# Altium PCB Spectre-Analyzer.PcbDoc (part 1 of 2) (continued)
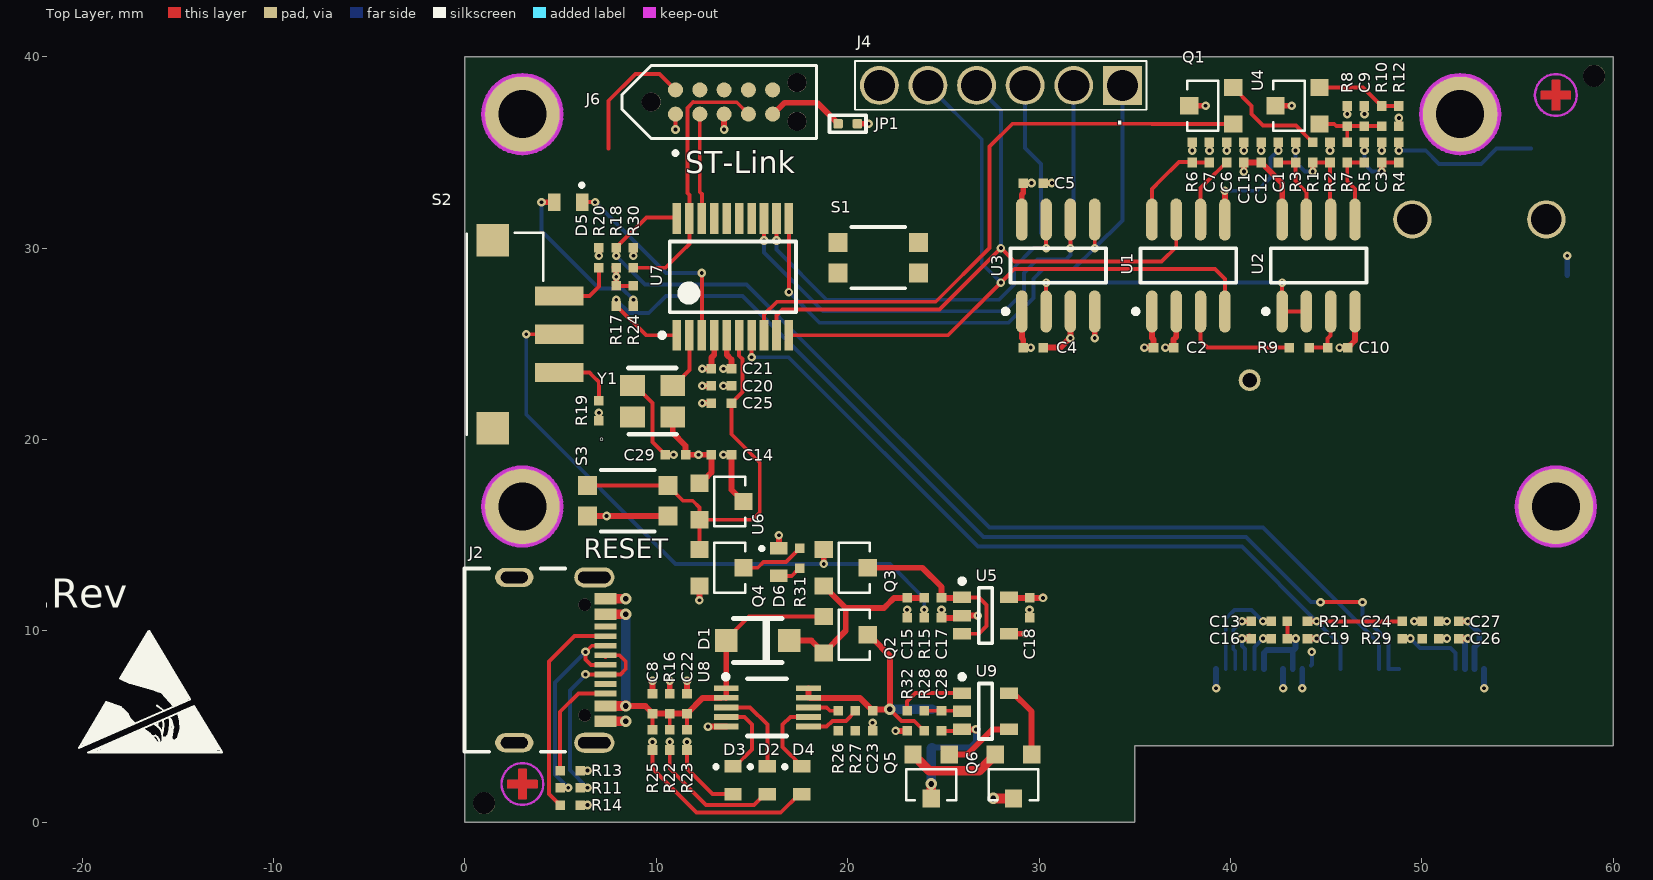
[diagram p0: Top Layer view]
## Part data (continued)
S1 S3: library part "KMR 2 Series", "SWITCH TACTILE SPST-NO 0.01A 32V", Manufacturer=C&K, Part Number=KMR243GLFG
S2: "SWITCH SLIDE SPDT 0.4VA 28V", Manufacturer="NKK Switches", Part Number=SS312SAH4-R
U1: library part MSGEQ7, "SWITCHED CAPA AUDIO ANALYZER SOIC-8", Manufacturer="Mixed Signal Integrated", Part Number=MSGEQ7N
U2: library part AD8072, "IC OPAMP GP 2 CIRCUIT 8SOIC", Manufacturer="Microchip Technology", Part Number=MCP6002-E/SN
U3: "IC ADC 10BIT SAR 8SOIC", Manufacturer="Microchip Technology", Part Number=MCP3001T-I/SN
U4: library part TL431xxDBZR, "IC VREF SHUNT ADJ SOT23-3", Manufacturer=onsemi, Part Number=TLV431ASN1T1G
U5: library part TPS782xxDDCR, "IC REG LINEAR 3.3V 150MA SOT23-5", Manufacturer="Texas Instruments", Part Number=TPS78233DDCR
U6: library part TPS3809x, "IC SUPERVISOR 1 CHANNEL SOT23-3", Manufacturer="Texas Instruments", Part Number=TPS3809K33DBVR
U7: library part STM32G031FxP6, "IC MCU 32BIT 64KB FLASH 20TSSOP", Manufacturer=STMicroelectronics, Part Number=STM32G031F8P6
U8: "IC BATT CNTRL LI-ION 1CEL 10MSOP", Manufacturer=Microchip, Part Number=MCP73833-CNI/UN
U9: library part AP9101CAK-AKTRG1, "IC BATT PROT LI-ION 1CELL SOT25", Manufacturer="Diodes Incorporated", Part Number=AP9101CAK-AKTRG1
Y1: library part ASE-XXXXX-MHZ-X-X, "OSC XO 10.000MHZ CMOS SMD", Manufacturer=Abracon, ClassName=Interface, Part Number=ASE-10.000-MHZ-E-T

## Free pads (board coordinates)
  round 1.143 hole 0.762: 2(41,23.1)
  round 1.152 hole 1.152 unplated: TH(1,1) TH(59,39)
  round 4 hole 2.5: ""(3,16.5) ""(3,37) ""(52,37) ""(57,16.5)

## Via types
v1: diameter 0.45, hole 0.2, Top Layer to Bottom Layer, tented both sides, 109 vias
v2: diameter 0.6, hole 0.3, Top Layer to Bottom Layer, tented both sides, 7 vias

## Nets (pads, with @x,y where several pads share a name; then routed paths per layer and width w, separated by ;. In a path a pad name is that pad's centre, name@x,y a point inside that pad or via, vN(x,y) a via of type N, cw(c..) or ccw(c..) an arc to the next point about the centre after c; other vN are vias at no path point)
+3.3V: C2.2 C4.2 C5.2 C11.2 C12.2 C14.2 C18.2 C19.2 C20.2 C21.2 C29.2 J3.6 J3.9 J3.11 J6.1 JP1.2 Q4.3 R6.1 R8.1 R17.2 R18.2 R21.2 R24.2 U1.1 U2.8 U3.1 U3.8 U5.5 U6.3 U7.4 Y1.4 | length 33
  Top Layer w0.203: R17.2@7.9,28.025 8.775,28.025 R24.2@8.8,28 ; Y1.4@9.2,22.5 9.8,21.9 9.8,19.875 C29.2@10.475,19.2 ; v1(11,36.2) J6.1@11,36.9 ; R21.2@42.9,10.5 42.975,10.425 C19.2@42.975,9.6
  Top Layer w0.305: R18.2@7.8,29 7.9,28.9 v1(7.9,28.5) R17.2@7.9,28.1 ; C29.2@10.4,19.3 10.5,19.2 v1(10.9,19.2) ; v1(12.25,11.6) 12.25,12.15 Q4.3@12.3,12.2 ; v1(12.4,22.8) C20.2@12.875,22.8 ; v1(12.4,23.7) C21.2@12.8,23.7 ; C21.2@12.875,23.7 12.875,24.275 13.025,24.425 U7.4@13.025,25.45 ; v1(13.5,19.2) C14.2@13.9,19.2 ; C14.2@13.925,19.2 13.925,17.375 U6.3@14.3,17 ; JP1.2@20.5,36.5 v1(21.1,36.5) ; U5.5@28.5,11.7 28.525,11.725 C18.2@29.5,11.725 30.125,11.725 v1@30.2,11.8 ; U3.8@29.095,31.49 29.095,32.795 29.175,32.875 C5.2@29.175,33.4 v1(29.6,33.4) ; U3.1@29.1,26 29.1,25.3 29.175,25.225 C4.2@29.175,24.8 ; C4.2@29.2,24.8 v1(29.565,24.8) ; v1(35.5,24.8) C2.2@35.9,24.8 ; U1.1@35.895,26.69 35.895,25.305 35.975,25.225 C2.2@35.975,24.8 ; v1(38,35.1) R6.1@38,35.5 ; v1(40.7,34) C11.2@40.7,34.475 ; C11.2@40.7,34.5 C11.2@40.7,34.475 ; C12.2@41.6,34.475 42.7,33.375 U2.8@42.7,31.9 ; C12.2@41.6,34.5 41.575,34.475 C11.2@40.7,34.475 ; C19.2@43,9.6 v1(43.405,9.6) ; v1(46.1,37) R8.1@46.1,37.4
  Bottom Layer w0.203: J3.11@44.2,8.2 44.25,8.25 v1(44.25,8.9)
  Bottom Layer w0.305: J3.6@41.75,8 41.75,8.85 41.9,9 43.3,9 ; J3.9@43.25,8 43.25,8.95 43.3,9 ; v1(43.405,9.6) 43.405,9.105 43.3,9
  other v1: 30.2,11.725
BAT-: C28.1 J5.2 Q5.3 U9.3 | length 7.7
  Top Layer w0.203: C28.1@24.9,4.775 25.975,4.775 U9.3@26,4.8
  Top Layer w0.305: U9.3@25.975,4.85 26.65,4.85 v1@26.7,4.8
  Top Layer w0.508: v2(24.359,2) Q5.3@24.359,1.245 24.359,1.241 Q5.3@24.4,1.2
  Bottom Layer w0.305: J5.2@24.4,3.9 26.4,3.9 26.7,4.2 v1(26.7,4.85)
  Bottom Layer w0.508: v2(24.359,2) 24.359,3.859 J5.2@24.4,3.9
DISP_RST: C24.2 J3.14 R21.1 U7.7 | length 44.2
  Top Layer w0.203: U7.7@14.975,25.45 14.975,24.425 v1@15,24.4 ; v1(44.5,10.5) C24.2@48.9,10.5
  Top Layer w0.305: R21.1@44.025,10.5 v1(44.5,10.5)
  Bottom Layer w0.203: v1(14.975,24.3) 16.9,24.3 26.8,14.4 40.6,14.4 v1(44.5,10.5) 45.75,9.25 J3.14@45.75,8
GAIN_ADJ: Q1.1 U7.8 | length 32.9
  Top Layer w0.203: U7.8@15.6,25.1 U7.8@15.625,25.075 ; U7.8@15.625,25.45 15.625,26.525 16.3,27.2 24.6,27.2 27.4,30 27.4,35.3 28.6,36.5 35.881,36.5 35.891,36.491 Q1.1@40.145,36.491
GAIN_SELECT: S1.2 U7.14
GND: C2.1 C3.1 C4.1 C5.1 C6.1 C7.1 C8.1 C9.1 C10.1 C11.1 C12.1 C14.1 C15.1 C17.1 C18.1 C19.1 C20.1 C21.1 C22.1 C23.1 C24.1 C25.1 C26.1 C27.1 C29.1 D6.2 J1.1 J2.1 J2.2 J2.3 J2.4 J2.A1_B12 J2.B1_A12 J3.1 J3.8 J3.10 J3.12 J3.13 J3.15 J3.29 J3.30 J4.6 J6.3 pad.2 Q1.3 Q6.3 R2.1 R12.2 R13.1 R14.1 R16.1 R19.2 R20.2 R26.1 R27.2 R29.1 R30.1 R32.2 S1.1 S3.1 U1.2 U2.4 U3.3 U3.4 U4.3 U5.2 U5.4 U6.1 U7.5 U8.5 Y1.2 | length 46.4
  Top Layer w0.305: R13.1@6,2.7 v1(6.4,2.7) ; R14.1@6.1,0.9 v1(6.4,0.9) ; S3.1@6.4,16 S3.1@10.6,16 ; R19.2@7,21 v1(7,21.4) ; v1(7,29.6) R20.2@7,30 ; v1(8.8,29.6) R30.1@8.8,30 ; C8.1@9.8,6.7 v1(9.8,7.4) ; R16.1@10.7,6.7 R16.1@10.7,6.725 v1(10.7,7.4) ; Y1.2@10.854,21.174 10.854,20.346 11.525,19.675 C29.1@11.525,19.2 v1(12.2,19.2) C14.1@12.875,19.2 12.875,18.275 U6.1@12.5,17.9 ; C22.1@11.6,6.8 v1(11.6,7.4) ; v1(12.4,21.9) C25.1@12.8,21.9 ; v1(12.7,5) U8.5@13.65,5 ; v1(13.5,22.8) C20.1@13.9,22.8 ; v1(13.5,23.7) C21.1@13.8,23.7 ; J6.3@13.5,37 13.54,36.96 v1(13.54,36.2) ; U7.5@13.675,25.45 13.675,24.425 13.925,24.175 C21.1@13.925,23.7 ; D6.2@16.4,14.325 v1(16.4,15) ; C23.1@21.3,4.8 C23.1@21.3,4.775 v1(21.3,5.2) ; v1(22.5,4.775) 23.075,4.775 R32.2@23.1,4.8 ; C15.1@23.1,10.7 v1(23.1,11.1) ; C17.1@24.9,10.675 25.875,10.675 U5.2@25.9,10.7 ; C17.1@24.9,10.7 v1(24.9,11.1) ; U5.2@25.975,10.8 v1(26.8,10.8) ; U5.4@28.5,9.9 28.55,9.85 v1(29.3,9.85) ; Q6.3@28.655,1.245 Q6.3@28.7,1.2 ; C18.1@29.5,10.7 v1(29.5,11.1) ; C4.1@30.225,24.8 31.1,24.8 v1@31.6,25.3 ; C5.1@30.3,33.4 v1(30.665,33.4) ; U3.3@31.6,26.5 31.635,26.465 v1(31.635,25.3) ; U3.4@32.9,26.2 32.905,26.195 v1(32.905,25.3) ; v1(36.6,24.8) C2.1@37,24.8 ; C2.1@37.025,24.8 37.025,25.225 37.165,25.365 U1.2@37.165,26.69 ; Q1.3@37.845,37.441 38.659,37.441 v1@38.7,37.4 ; v1(38.9,35.1) C7.1@38.9,35.5 ; v1(39.8,35.1) C6.1@39.8,35.5 ; v1(40.7,35.1) C11.1@40.7,35.5 ; v1(41.6,35.1) C12.1@41.6,35.5 ; U4.3@42.345,37.441 43.159,37.441 v1@43.2,37.4 ; C19.1@44.025,9.6 v1@44.4,9.6 ; v1(45.7,24.8) C10.1@46.1,24.8 ; C10.1@46.125,24.8 46.5,25.175 U2.4@46.5,26.4 ; v1(47,37) C9.1@47,37.4 ; v1(47.9,35.1) C3.1@47.9,35.525 ; R12.2@48.8,36.375 v1(48.8,36.8) ; v1(49.605,10.5) C24.1@49.9,10.5 ; C26.1@50.9,9.6 v1(51.305,9.6) ; C27.1@51,10.5 v1(51.305,10.5)
  Top Layer w0.508: J2.B1_A12@7.333,5.275 8.375,5.275 v2@8.4,5.3 ; J2.A1_B12@7.333,11.675 8.375,11.675 v2@8.4,11.7 ; v2(27.6,1.245) Q6.3@28.655,1.245
  Bottom Layer w0.305: J3.1@39.25,8 39.25,7.05 v1@39.3,7 ; J3.8@42.75,8 42.75,7.05 v1@42.8,7 ; J3.10@43.75,8 43.75,7.05 v1@43.8,7 ; v1@53.2,7 53.25,7.05 J3.29@53.25,8 ; J1.1@57.6,28.6 v1(57.6,29.6)
  other v1: 39.25,7 42.75,7 43.75,7 53.25,7 44.5,9.6 7.4,16 45.2,35.1 38.7,37.441 43.2,37.441
  other v2: 8.4,5.275 8.4,11.675
MCU_SCL: J3.18 R18.1 U7.20 | length 53.4
  Top Layer w0.203: R18.1@7.9,30.025 9.475,31.6 U7.20@11.1,31.6
  Bottom Layer w0.203: v1(7.9,29.6) 9.4,28.1 14.7,28.1 18.2,24.6 27.4,15.4 41.7,15.4 47.75,9.35 J3.18@47.75,8
MCU_SDA: J3.19 J3.20 R17.1 U7.1 | length 54.7
  Top Layer w0.203: R17.1@7.9,26.9 8,26.9 9.45,25.45 U7.1@11.075,25.45 ; R17.1@7.9,26.975 R17.1@7.937,26.938 ; v1(44.7,11.5) v1(46.9,11.5)
  Bottom Layer w0.203: v1(7.9,27.3) 8.6,26.6 9.6,26.6 10.5,27.5 14.5,27.5 27.1,14.9 40.8,14.9 44.2,11.5 v1(44.7,11.5) ; v1(46.9,11.5) 46.9,10.8 48.25,9.45 J3.19@48.25,8 J3.20@48.75,8 J3.20@48.8,8
MCU_SPI_NSS: J4.1 U3.5 U7.11 | length 32.6
  Top Layer w0.203: 16.9,30.4 16.925,30.375 v1(16.925,27.7) ; 16.925,30.4 16.925,31.125 U7.11@17,31.2 ; U3.5@32.9,31 32.905,30.995 v1(32.905,30)
  Bottom Layer w0.203: v1@16.925,27.8 v1(16.925,27.7) 18.525,26.1 28.4,26.1 29.7,27.4 29.7,28.4 30.2,28.9 31.805,28.9 v1(32.905,30) ; v1@32.9,30 34.35,31.45 J4.1@34.35,38.5
MCU_SPI_SCK: J4.3 U3.7 U7.12 | length 28
  Top Layer w0.203: v1(16.275,30.4) 16.275,31.175 U7.12@16.3,31.2 ; v1(30.365,30) 30.365,30.865 U3.7@30.4,30.9
  Bottom Layer w0.203: v1(16.275,30.4) 16.275,29.925 18.9,27.3 27.9,27.3 28.7,28.1 28.7,29 29.7,30 v1(30.365,30) 30.365,30.535 30.1,30.8 30.1,34.4 29.27,35.23 J4.3@29.27,38.5
MCU_SPI_SDI: J4.2 U3.6 U7.13 | length 30.5
  Top Layer w0.203: v1(15.625,30.4) 15.625,31.125 U7.13@15.7,31.2 ; v1(31.635,30) 31.635,30.935 U3.6@31.7,31
  Bottom Layer w0.203: v1(15.625,30.4) 15.625,29.775 18.7,26.7 28.2,26.7 29.2,27.7 29.2,28.7 29.9,29.4 31.4,29.4 31.635,29.635 v1(31.635,30) 31.635,30.535 31.8,30.7 J4.2@31.8,38.5
MSG_CLK: J4.5 U1.4 U7.10 | length 38
  Top Layer w0.203: U7.10@16.925,25.45 25.25,25.45 v1(28,28.2) 28.7,28.9 39.2,28.9 39.705,28.395 U1.4@39.705,26.69
  Bottom Layer w0.203: J4.5@24.19,38.5 27,35.69 27,29.2 v1(28,28.2)
MSG_OUT: R9.1 U1.3 | length 6.3
  Top Layer w0.203: U1.3@38.435,26.69 38.435,25.165 38.8,24.8 R9.1@43.075,24.8 R9.1@43.1,24.8
MSG_RST: J4.4 U1.7 U7.9 | length 34.4
  Top Layer w0.203: U7.9@16.275,25.45 16.275,26.475 16.6,26.8 24.8,26.8 v1(28,30) 28.7,29.3 36.4,29.3 37.165,30.065 U1.7@37.165,31.49
  Bottom Layer w0.203: J4.4@26.7,38.5 28,37.2 v1(28,30)
NetC1_1: C1.1 U1.5 | length 6.2
  Top Layer w0.305: v1(39.7,33) 39.705,32.995 U1.5@39.705,31.49 ; v1(42.5,35.1) 42.5,35.4 C1.1@42.6,35.5
  Bottom Layer w0.203: v1(39.7,33) 41.4,33 42.1,33.7 42.1,34.7 v1(42.5,35.1)
NetC1_2: C1.2 R3.2 U2.7 | length 4.1
  Top Layer w0.203: C1.2@42.5,34.475 43.375,34.475 R3.2@43.4,34.5 ; R3.2@43.4,34.475 43.4,33.5 43.8,33.1 43.965,32.935 U2.7@43.965,31.49
NetC3_2: C3.2 R4.2 R5.1 | length 3.2
  Top Layer w0.203: C3.2@47.9,34.475 48.775,34.475 R4.2@48.8,34.5
  Top Layer w0.305: v1(47.9,34) C3.2@47.9,34.475
  Bottom Layer w0.203: v1(47,35.1) 47,34.4 47.4,34 v1(47.9,34)
NetC6_2: C6.2 U1.6 | length 3.4
  Top Layer w0.203: U1.6@38.435,31.49 38.435,33.135 38.8,33.5 C6.2@39.7,34.4
NetC7_2: C7.2 R6.2 U1.8 | length 5.3
  Top Layer w0.203: U1.8@35.895,31.49 35.895,33.095 36.4,33.6 ; 36.295,33.495 37.3,34.5 37.9,34.5 R6.2@38,34.4 ; R6.2@38.125,34.475 C7.2@38.9,34.475
NetC10_2: C10.2 R9.2 U2.3 | length 2.8
  Top Layer w0.203: R9.2@44.125,24.8 C10.2@45,24.8 ; C10.2@45.075,24.8 45.075,25.275 45.2,25.4 ; 45.235,25.435 U2.3@45.235,26.69
NetC13_1: C13.1 J3.2 | length 5.3
  Top Layer w0.305: v1(41.705,10.5) C13.1@42,10.5
  Bottom Layer w0.203: J3.2@39.75,8 39.75,10.65 40.2,11.1 41.1,11.1 41.7,10.5 v1(41.705,10.5)
NetC13_2: C13.2 J3.3 | length 3.1
  Top Layer w0.305: v1(40.605,10.5) C13.2@41,10.5
  Bottom Layer w0.203: J3.3@40.25,8 40.25,8.95 40.146,9.054 40.146,10.046 v1@40.6,10.5 ; v1@40.602,10.497 v1(40.605,10.5)
NetC15_2: C15.2 D1.2 Q2.3 Q3.3 R15.2 | length 10.4
  Top Layer w0.305: D1.2@16.951,9.5 18.1,9.5 Q2.3@18.7,8.9 ; Q2.3@18.75,8.85 19.9,10 19.9,11.2 ; Q3.3@19,12.1 19.9,11.2 ; R15.2@24,11.7 23.975,11.725 C15.2@23.1,11.725 22.425,11.725 22,11.3 21.9,11.2 19.9,11.2
NetC16_1: C16.1 J3.4 | length 2.1
  Top Layer w0.305: v1(40.6,9.6) 40.9,9.6 C16.1@41,9.7
  Bottom Layer w0.203: v1(40.6,9.6) 40.6,9.2 40.75,9.05 J3.4@40.75,8
NetC16_2: C16.2 J3.5 | length 2.2
  Top Layer w0.305: v1(41.705,9.6) C16.2@42.1,9.6
  Bottom Layer w0.203: J3.5@41.25,8 41.25,9.15 v1@41.7,9.6
NetC17_2: C17.2 Q3.2 U5.1 U5.3 | length 9.9
  Top Layer w0.203: U5.3@25.975,9.85 26.85,9.85 27.254,10.254 27.254,11.346 26.85,11.75 U5.1@25.975,11.75
  Top Layer w0.305: Q3.2@21.05,13.3 23.9,13.3 24.9,12.3 C17.2@24.9,11.8 ; C17.2@24.9,11.725 25.975,11.725 U5.1@26,11.7
NetC26_2: C26.2 J3.27 | length 2.1
  Top Layer w0.305: C26.2@52,9.6 v1(52.4,9.6)
  Bottom Layer w0.305: J3.27@52.25,8 52.25,9.45 v1(52.4,9.6)
NetC27_2: C27.2 J3.28 | length 3.2
  Top Layer w0.305: C27.2@51.925,10.5 v1@52.3,10.5
  Bottom Layer w0.305: v1(52.4,10.5) 53,9.9 53,9.4 52.75,9.15 J3.28@52.75,8
NetC28_2: C28.2 R28.2 U9.2 | length 1.8
  Top Layer w0.203: R28.2@24,5.8 24.025,5.825 C28.2@24.9,5.825 25.775,5.825 U9.2@25.8,5.8
NetD2_1: D2.1 R22.2 | length 7.7
  Top Layer w0.203: R22.2@10.7,3.8 10.7,2.8 12.6,0.9 15.1,0.9 15.675,1.475 D2.1@15.8,1.475 ; D2.1@15.675,1.275 D2.1@15.8,1.275
  Top Layer w0.305: R22.2@10.7,3.775 v1(10.7,4.2)
NetD2_2: D2.2 U8.3 | length 4.3
  Top Layer w0.203: U8.3@14,6 14.9,6 15.8,5.1 D2.2@15.8,2.925
NetD3_1: D3.1 R23.2 | length 4.3
  Top Layer w0.203: R23.2@11.6,3.8 11.6,2.8 12.925,1.475 D3.1@14,1.475
  Top Layer w0.305: R23.2@11.6,3.8 v1(11.6,4.2)
NetD3_2: D3.2 U8.4 | length 3.8
  Top Layer w0.203: D3.2@14,2.925 14.125,2.925 15,3.8 15,5.1 14.6,5.5 U8.4@14,5.5
NetD4_1: D4.1 R25.2 | length 10.7
  Top Layer w0.203: R25.2@9.8,3.8 9.8,2.8 12.1,0.5 16.5,0.5 17.475,1.475 D4.1@17.6,1.475 ; D4.1@17.492,1.275 D4.1@17.6,1.275
  Top Layer w0.305: R25.2@9.8,3.775 v1(9.8,4.2)
NetD4_2: D4.2 U8.7 | length 4
  Top Layer w0.203: D4.2@17.6,2.925 16.6,3.925 16.6,5.1 17,5.5 U8.7@17.8,5.5
NetD5_1: D5.1 R24.1 | length 8.3
  Top Layer w0.305: v1(4,32.4) D5.1@4.5,32.4
  Bottom Layer w0.203: v1(4,32.4) 4,30.9 7,27.9 8.2,27.9 v1(8.8,27.3)
NetD5_2: D5.2 U7.3 | length 11
  Top Layer w0.203: D5.2@6.125,32.4 v1(6.8,32.4) ; U7.3@12.375,25.45 12.375,28.675 v1@12.4,28.7
  Bottom Layer w0.203: v1(6.8,32.4) 10.5,28.7 v1(12.375,28.7)
NetD6_1: D6.1 R31.1 | length 1.1
  Top Layer w0.203: D6.1@16.4,12.875 17.075,12.875 R31.1@17.4,13.2
NetJ1_3: J1.3 R4.1 | length 8
  Top Layer w0.305: R4.1@48.7,35.5 48.8,35.4 v1(48.8,35.1)
  Bottom Layer w0.203: v1(48.8,35.1) 50.2,35.1 50.9,34.4 53.1,34.4 53.9,35.2 J1.3@55.7,35.2
NetJ2_A5: J2.A5 R14.2 | length 11.2
  Top Layer w0.203: R14.2@4.975,0.9 4.4,1.475 4.4,8.4 5.725,9.725 J2.A5@7.333,9.725
NetJ2_B5: J2.B5 R13.2 | length 5.8
  Top Layer w0.203: R13.2@4.975,2.7 4.975,5.775 5.925,6.725 J2.B5@7.333,6.725
NetJ3_26: J3.26 R29.2 | length 3.8
  Top Layer w0.305: R29.2@49.1,9.6 v1(49.4,9.6)
  Bottom Layer w0.203: v1(49.4,9.6) 49.9,9.1 51.5,9.1 51.75,8.85 J3.26@51.75,8
NetJ6_5: J6.5 JP1.1 | length 4.1
  Top Layer w0.203: J6.5@16.08,37 J6.5@16.19,37.11
  Top Layer w0.305: J6.5@16.2,37.1 16.7,37.6 18.4,37.6 JP1.1@19.5,36.5
NetQ1_2: Q1.2 R1.1 | length 5.6
  Top Layer w0.203: Q1.2@40.145,38.391 41.1,37.435 41.1,37 41.7,36.4 43.425,36.4 R1.1@44.3,35.525
NetQ3_1: Q3.1 R15.1 S2.2 | length 31.7
  Top Layer w0.203: v1(3.2,25.5) S2.2@4.3,25.5
  Top Layer w0.305: v1(18.75,13.5) 18.75,14.05 Q3.1@18.8,14.1 ; R15.1@24,10.7 v1(24,11.1)
  Bottom Layer w0.203: v1(3.2,25.5) 3.2,21.3 11,13.5 v1(18.75,13.5) 22.2,13.5 24,11.7 v1(24,11.1)
NetQ4_2: Q4.2 R31.2 | length 3.4
  Top Layer w0.203: Q4.2@14.55,13.3 15.3,13.3 15.6,13.6 16.775,13.6 R31.2@17.5,14.325
NetQ5_1: Q5.1 U9.4 | length 3.7
  Top Layer w0.305: Q5.1@25.309,3.545 26.245,3.545 27.55,4.85 U9.4@28.425,4.85
NetQ6_1: Q6.1 U9.5 | length 3.7
  Top Layer w0.305: U9.5@28.6,6.8 29.609,5.791 Q6.1@29.609,3.545
NetR1_2: R1.2 R2.2 R3.1 U2.6 | length 5.5
  Top Layer w0.203: R1.2@44.3,34.475 R2.2@45.175,34.475 ; U2.6@45.2,32 R2.2@45.2,34.475
  Top Layer w0.305: v1(44.3,34) R1.2@44.3,34.4
  Bottom Layer w0.203: v1(43.4,35.1) 43.4,34.5 43.9,34 v1(44.3,34)
NetR5_2: R5.2 R7.2 U2.5 | length 4.1
  Top Layer w0.203: U2.5@46.505,31.49 46.505,33.095 46.1,33.5 R7.2@46.1,34.475 46.975,34.475 R5.2@47,34.5
NetR10_2: R10.2 R12.1 U4.2 | length 4.6
  Top Layer w0.203: U4.2@44.645,38.391 46.4,38.391 ; 46.4,38.4 46.925,38.4 R10.2@47.9,37.425 48.775,37.425 R12.1@48.8,37.4
NetR19_1: R19.1 S2.1 | length 3.3
  Top Layer w0.203: S2.1@4.925,23.5 6.5,23.5 6.7,23.3 7,23 R19.1@7,22.025
NetR20_1: R20.1 S2.3 | length 3.2
  Top Layer w0.203: S2.3@4.925,27.5 6.5,27.5 7,28 R20.1@7,28.9
NetR26_2: R26.2 U8.8 | length 1.6
  Top Layer w0.203: U8.8@17.95,6 18.9,6 19.075,5.825 R26.2@19.5,5.825
NetR27_1: R27.1 U8.6 | length 2.8
  Top Layer w0.203: U8.6@17.95,5 18.9,5 19.2,5.3 19.9,5.3 R27.1@20.4,5.8
NetR32_1: R32.1 U9.1 | length 3.7
  Top Layer w0.203: R32.1@23.1,5.7 R32.1@23.1,5.825 23.1,6.3 23.55,6.75 U9.1@25.975,6.75
NetU2_1: U2.1 U2.2 U3.2 | length 16.4
  Top Layer w0.203: U3.2@30.365,26.265 U3.2@30.4,26.3 ; U3.2@30.365,26.69 30.365,28.165 v1@30.4,28.2 ; U2.1@42.6,27 42.695,27.095 v1(42.695,28.2) ; U2.1@42.7,26.7 42.71,26.69 U2.2@43.965,26.69
  Bottom Layer w0.203: v1(30.365,28.2) v1(42.695,28.2) v1@42.7,28.2
NetU7_2: U7.2 Y1.3 | length 2.9
  Top Layer w0.203: Y1.3@11,22.9 11.725,23.625 U7.2@11.725,25.45
NRST: C25.2 J6.10 Q4.1 S3.2 U6.2 U7.6 | length 28.8
  Top Layer w0.203: S3.2@6.4,17.6 S3.2@10.6,17.6 11.4,16.8 11.9,16.8 12.255,16.445 U6.2@12.255,15.809 ; 7.5,35.2 7.5,37.7 8.9,39.1 10.17,39.1 J6.10@11,38.27 ; Q4.1@12.25,14.25 12.25,15.65 U6.2@12.3,15.7 ; U6.2@12.3,15.809 15.009,15.809 15.4,16.2 15.4,18.8 13.925,20.275 C25.2@13.925,21.9 14.5,22.475 14.5,24.2 14.325,24.375 U7.6@14.325,25.45
SWCLK: J6.4 R30.2 U7.19 | length 14.3
  Top Layer w0.203: R30.2@8.8,28.975 10.475,28.975 11.3,29.8 11.725,30.225 U7.19@11.725,31.55 11.725,32.775 11.625,32.875 11.625,35.45 ; 11.622,35.45 11.622,37.322 11.922,37.622 ; 11.925,37.625 11.922,37.622 ; J6.4@14.81,36.91 J6.4@14.9,37 ; J6.4@14.81,37 14.81,37.015 14.203,37.622 11.922,37.622
SWDIO: J6.2 U7.18 | length 5.4
  Top Layer w0.203: J6.2@12.3,36.9 12.27,36.87 12.27,32.93 12.375,32.825 U7.18@12.375,31.55
SWO: J6.6
USB_N: J2.A7 J2.B7 R11.1 | length 11.2
  Top Layer w0.203: J2.A7@7.333,8.225 6.575,8.225 6.3,8.5 v1(6.3,8.9) 6.625,9.225 J2.B7@7.333,9.225
  Top Layer w0.305: R11.1@5,1.8 v1(5.4,1.8)
  Bottom Layer w0.203: v1(5.4,1.8) 4.7,2.5 4.7,7.3 v1(6.3,8.9)
USB_P: J2.A6 J2.B6 R11.2 | length 10.7
  Top Layer w0.203: v1(6.3,7.725) 7.075,7.725 J2.B6@7.1,7.7 ; J2.B6@7.333,7.725 8.125,7.725 8.4,8 8.4,8.4 8.075,8.725 J2.A6@7.333,8.725 ; J2.A6@7.333,8.633 J2.A6@7.4,8.7
  Top Layer w0.305: R11.2@6,1.8 R11.2@6.025,1.8 v1(6.4,1.8)
  Bottom Layer w0.203: v1@6.3,7.7 5.479,6.879 5.479,2.721 v1(6.4,1.8)
VBAT: C23.2 J5.1 Q2.2 R28.1 U8.9 U8.10 | length 13.5
  Top Layer w0.203: v2(22.2,5.9) 22.8,5.3 23.475,5.3 R28.1@24,4.775
  Top Layer w0.305: U8.10@17.95,7 17.95,6.55 18,6.5 20.625,6.5 C23.2@21.3,5.825 ; C23.2@21.3,5.9 v2(22.2,5.9) 22.2,8.7 Q2.2@21.3,9.6
  Bottom Layer w0.508: v2(22.2,5.9) J5.1@24.4,5.9
VBUS: C8.2 C22.2 D1.1 J2.A4_B9 J2.B4_A9 Q2.1 R16.2 R22.1 R23.1 R25.1 U8.1 U8.2 | length 23.7
  Top Layer w0.203: R25.1@9.8,4.825 C8.2@9.8,5.6 ; R22.1@10.7,4.825 R16.2@10.7,5.6 ; R23.1@11.6,4.825 C22.2@11.6,5.6 ; D1.1@13.649,9.5 13.675,9.474 D1.1@14.025,9.125 ; D1.1@13.8,9.7 14.85,10.75 Q2.1@18.75,10.75
  Top Layer w0.305: v2(8.4,6.075) 9.425,6.075 C8.2@9.8,5.7 ; C8.2@9.8,5.675 10.675,5.675 R16.2@10.7,5.7 ; R16.2@10.7,5.675 11.575,5.675 C22.2@11.6,5.7 ; C22.2@11.6,5.675 12.425,6.5 U8.2@13.4,6.5 ; U8.2@13.65,6.5 13.65,6.95 U8.1@13.7,7 ; U8.1@13.65,7 13.65,9.45 13.675,9.474 D1.1@13.7,9.5
  Top Layer w0.508: J2.B4_A9@7.333,6.075 8.375,6.075 v2@8.4,6.1 ; J2.A4_B9@7.333,10.875 v2@8.375,10.875
  Bottom Layer w0.508: v2(8.4,6.075) v2(8.4,10.875) v2@8.4,10.9
VD: Q5.2 Q6.2 | length 5
  Top Layer w0.508: Q5.2@23.409,3.545 24.265,2.689 26.853,2.689 Q6.2@27.709,3.545
VREF: C9.2 R7.1 R8.2 R10.1 U4.1 | length 4
  Top Layer w0.203: U4.1@44.645,36.491 45.409,36.491 45.525,36.375 R8.2@46.1,36.375 ; R7.1@46.1,35.525 R8.2@46.1,36.3 ; R8.2@46.1,36.4 46.125,36.375 C9.2@47,36.375 ; C9.2@47.1,36.3 47.175,36.375 R10.1@47.9,36.375
pads on no net: J1. J1.2 J2. J2.A8 J2.B8 J3. J3.7 J3.16 J3.17 J3.21 J3.22 J3.23 J3.24 J3.25 J3.S1 J3.S2 J5.S1 J5.S2 J6. J6.7 J6.8 J6.9 S2.4 S2.5 U7.15 U7.16 U7.17 Y1.1

## Polygon pours and split planes (outlines as drawn)
GND on GND (split plane): 59.498,4.502 35,4.502 34.902,4.493 34.808,4.464 34.721,4.418 34.645,4.355 34.582,4.279 34.536,4.192 34.507,4.098 34.498,4 34.498,0.502 0.502,0.502 0.502,39.498 59.498,39.498
+3.3V on PWR (split plane): 59.498,4.502 35,4.502 34.902,4.493 34.808,4.464 34.721,4.418 34.645,4.355 34.582,4.279 34.536,4.192 34.507,4.098 34.498,4 34.498,0.502 0.502,0.502 0.502,39.498 59.498,39.498

## Keep-outs
Top Layer:
  circle w0.2: c57,16.5 r2.05
  circle w0.2: c3,16.5 r2.05
  circle w0.2: c3,37 r2.05
  circle w0.2: c52,37 r2.05
  circle w0.127: c57,37.997 r1.092
  circle w0.127: c3,1.997 r1.092
Bottom Layer:
  circle w0.2: c3,16.5 r2.05
  circle w0.2: c3,37 r2.05
  circle w0.2: c52,37 r2.05
  circle w0.2: c57,16.5 r2.05
  circle w0.127: c3,1.997 r1.092
  circle w0.127: c57,37.997 r1.092

## Other copper
Top Layer:
  region: 57.21,38.778 57.218,38.759 57.218,38.215 57.762,38.215 57.781,38.207 57.789,38.187 57.789,37.806 57.781,37.787 57.762,37.779 57.218,37.779 57.218,37.235 57.21,37.216 57.191,37.208 56.81,37.208 56.79,37.216 56.782,37.235 56.782,37.779 56.238,37.779 56.219,37.787 56.211,37.806 56.211,38.187 56.219,38.207 56.238,38.215 56.786,38.215 56.782,38.759 56.786,38.769 56.79,38.778 56.8,38.782 56.809,38.786 56.81,38.786 57.191,38.786
  region: 3.21,2.778 3.218,2.759 3.218,2.215 3.762,2.215 3.781,2.207 3.789,2.187 3.789,1.806 3.781,1.787 3.762,1.779 3.218,1.779 3.218,1.235 3.21,1.216 3.191,1.208 2.81,1.208 2.79,1.216 2.782,1.235 2.782,1.779 2.238,1.779 2.219,1.787 2.211,1.806 2.211,2.187 2.219,2.207 2.238,2.215 2.786,2.215 2.782,2.759 2.786,2.769 2.79,2.778 2.8,2.782 2.809,2.786 2.81,2.786 3.191,2.786
Bottom Layer:
  region: 3.21,2.778 3.218,2.759 3.218,2.215 3.762,2.215 3.781,2.207 3.789,2.187 3.789,1.806 3.781,1.787 3.762,1.779 3.218,1.779 3.218,1.235 3.21,1.216 3.191,1.208 2.81,1.208 2.79,1.216 2.782,1.235 2.782,1.779 2.238,1.779 2.219,1.787 2.211,1.806 2.211,2.187 2.219,2.207 2.238,2.215 2.786,2.215 2.782,2.759 2.786,2.769 2.79,2.778 2.8,2.782 2.809,2.786 2.81,2.786 3.191,2.786
  region: 57.21,38.778 57.218,38.759 57.218,38.215 57.762,38.215 57.781,38.207 57.789,38.187 57.789,37.806 57.781,37.787 57.762,37.779 57.218,37.779 57.218,37.235 57.21,37.216 57.191,37.208 56.81,37.208 56.79,37.216 56.782,37.235 56.782,37.779 56.238,37.779 56.219,37.787 56.211,37.806 56.211,38.187 56.219,38.207 56.238,38.215 56.786,38.215 56.782,38.759 56.786,38.769 56.79,38.778 56.8,38.782 56.809,38.786 56.81,38.786 57.191,38.786

## Silkscreen, mask and mechanical layers (free items; w line width, h text height)
Top Overlay:
  drawing of 234 lines, arcs and shapes, not listed
  text "ST-Link" at 11.5,33.9 h1.14
  text "RESET" at 6.2,13.8 h1.02
  text ".DocNumber" at -51.3,11.2 h1.52
  text "Rev" at -27.8,11.2 h1.52
  text ".Rev" at -22.3,11.2 h1.52
  text ".Title1" at -51.3,9.2 h1.22
  text "Designed by Kyler Kidd" at -51.3,6.7 h2.03
Bottom Overlay:
  text "JLCJLCJLCJLC" at -4.5,15.5 h0.8
Top Solder:
  circle w0.254: c57.004,37.997 r1.001
  circle w0.254: c3.004,1.997 r1.001
  rectangle: -1.25,-14.348 1.544,-13.586
  rectangle: -1.25,-13.332 1.544,-12.57
  rectangle: -1.25,-12.316 1.544,-11.554
  rectangle: 2.814,-10.284 5.608,-9.522
  rectangle: 2.814,-11.3 5.608,-10.538
  rectangle: 2.814,-12.316 5.608,-11.554
  rectangle: 2.814,-13.332 5.608,-12.57
  rectangle: 2.814,-14.348 5.608,-13.586
  rectangle: 6.878,-13.332 9.672,-12.57
  rectangle: 6.878,-14.348 9.672,-13.586
  rectangle: 10.942,-11.3 13.736,-10.538
  rectangle: 10.942,-12.316 13.736,-11.554
  rectangle: 10.942,-13.332 13.736,-12.57
  rectangle: 10.942,-14.348 13.736,-13.586
  rectangle: 15.006,-12.316 17.8,-11.554
  rectangle: 15.006,-13.332 17.8,-12.57
  rectangle: 15.006,-14.348 17.8,-13.586
  rectangle: 19.07,-10.284 21.864,-9.522
  rectangle: 19.07,-11.3 21.864,-10.538
  rectangle: 19.07,-12.316 21.864,-11.554
  rectangle: 19.07,-13.332 21.864,-12.57
  rectangle: 19.07,-14.348 21.864,-13.586
  rectangle: 23.388,-11.3 26.182,-10.538
  rectangle: 23.388,-12.316 26.182,-11.554
  rectangle: 23.388,-13.332 26.182,-12.57
  rectangle: 23.388,-14.348 26.182,-13.586
  rectangle: 2.814,-9.268 5.608,-8.506
  rectangle: 56.054,37.572 57.929,38.447
  rectangle: 56.579,36.972 57.379,39.022
  rectangle: 56.229,38.422 57.779,38.797
  rectangle: 56.204,37.197 57.779,37.597
  rectangle: 2.054,1.572 3.929,2.447
  rectangle: 2.579,0.972 3.379,3.022
  rectangle: 2.229,2.422 3.779,2.797
  rectangle: 2.204,1.197 3.779,1.597
  region: 16.327,-3.05 18.613,-3.05 17.47,-5.082
  region: 21.534,-3.05 23.82,-3.05 22.677,-5.082
  region: 22.486,-5.082 20.2,-5.082 21.343,-3.05
  region: 19.946,-5.082 17.66,-5.082 18.803,-3.05
  region: 57.21,38.778 57.218,38.759 57.218,38.215 57.762,38.215 57.781,38.207 57.789,38.187 57.789,37.806 57.781,37.787 57.762,37.779 57.218,37.779 57.218,37.235 57.21,37.216 57.191,37.208 56.81,37.208 56.79,37.216 56.782,37.235 56.782,37.779 56.238,37.779 56.219,37.787 56.211,37.806 56.211,38.187 56.219,38.207 56.238,38.215 56.786,38.215 56.782,38.759 56.786,38.769 56.79,38.778 56.8,38.782 56.809,38.786 56.81,38.786 57.191,38.786
  region: 3.21,2.778 3.218,2.759 3.218,2.215 3.762,2.215 3.781,2.207 3.789,2.187 3.789,1.806 3.781,1.787 3.762,1.779 3.218,1.779 3.218,1.235 3.21,1.216 3.191,1.208 2.81,1.208 2.79,1.216 2.782,1.235 2.782,1.779 2.238,1.779 2.219,1.787 2.211,1.806 2.211,2.187 2.219,2.207 2.238,2.215 2.786,2.215 2.782,2.759 2.786,2.769 2.79,2.778 2.8,2.782 2.809,2.786 2.81,2.786 3.191,2.786
  text "Spectre" at 2.306,-4.696 h2.03
  text "Graphical Music Visualizer" at 0.274,-6.855 h1.02
Bottom Solder:
  circle w0.254: c3.004,1.997 r1.001
  circle w0.254: c57.004,37.997 r1.001
  rectangle: 2.579,0.972 3.379,3.022
  rectangle: 2.204,1.197 3.779,1.597
  rectangle: 2.229,2.422 3.779,2.797
  rectangle: 2.054,1.572 3.929,2.447
  rectangle: 56.054,37.572 57.929,38.447
  rectangle: 56.229,38.422 57.779,38.797
  rectangle: 56.204,37.197 57.779,37.597
  rectangle: 56.579,36.972 57.379,39.022
  region: 3.21,2.778 3.218,2.759 3.218,2.215 3.762,2.215 3.781,2.207 3.789,2.187 3.789,1.806 3.781,1.787 3.762,1.779 3.218,1.779 3.218,1.235 3.21,1.216 3.191,1.208 2.81,1.208 2.79,1.216 2.782,1.235 2.782,1.779 2.238,1.779 2.219,1.787 2.211,1.806 2.211,2.187 2.219,2.207 2.238,2.215 2.786,2.215 2.782,2.759 2.786,2.769 2.79,2.778 2.8,2.782 2.809,2.786 2.81,2.786 3.191,2.786
  region: 57.21,38.778 57.218,38.759 57.218,38.215 57.762,38.215 57.781,38.207 57.789,38.187 57.789,37.806 57.781,37.787 57.762,37.779 57.218,37.779 57.218,37.235 57.21,37.216 57.191,37.208 56.81,37.208 56.79,37.216 56.782,37.235 56.782,37.779 56.238,37.779 56.219,37.787 56.211,37.806 56.211,38.187 56.219,38.207 56.238,38.215 56.786,38.215 56.782,38.759 56.786,38.769 56.79,38.778 56.8,38.782 56.809,38.786 56.81,38.786 57.191,38.786
Mechanical 1:
  lines w0.254: 0,40 60,40 60,4 35,4 35,0 0,0 0,40 ; 0,40 0,40
ASSY_TOP:
  drawing of 322 lines, arcs and shapes, not listed
  text "SH" at 401.173,299.933 h2.54
  text "DWG NO" at 326.021,299.518 h2.54
  text ".DocNumber" at 342.672,296.678 h3.05
  text "2" at -196.323,296.19 h5.08
  text "4" at 19.75,296.19 h5.08
  text "8" at 444.108,296.19 h5.08
  text "1" at -304.051,296.03 h5.08
  text "3" at -88.329,296.03 h5.08
  text "5" at 127.749,296.03 h5.08
  text "6" at 235.696,296.03 h5.08
  text "1" at 406.172,295.662 h3.05
  text "REVISION HISTORY" at 352.324,289.283 h2.54
  text "REV" at 327.94,283.216 h2.54
  text "DESCRIPTION" at 373.66,283.216 h2.54
  text "DATE" at 432.08,283.216 h2.54
  text "APPROVED" at 462.56,283.216 h2.54
  text ".Hist1Rev" at 328.845,278.615 h2.54
  text ".Hist1Desc" at 340.64,278.136 h2.54
  text ".Hist1Date" at 424.46,278.136 h2.54
  text ".Hist1Appr" at 454.94,278.136 h2.54
  text "NOTES" at -317.22,276.86 h10.16
  text ".Hist2Rev" at 328.845,273.002 h2.54
  text ".Hist2Desc" at 340.64,272.522 h2.54
  text ".Hist2Date" at 424.46,272.522 h2.54
  text ".Hist2Appr" at 454.94,272.522 h2.54
  text "1. DIMENSIONING AND TOLERANCING PER ASME Y14.5M-1994" at -317.22,269.24 h5.08
  text ".Hist3Rev" at 328.845,267.414 h2.54
  text ".Hist3Desc" at 340.64,266.934 h2.54
  text ".Hist3Date" at 424.46,266.934 h2.54
  text ".Hist3Appr" at 454.94,266.934 h2.54
  text "2. INTERPRET PER ASME Y14.100M" at -317.22,261.62 h5.08
  text "3. ASSEMBLE PER IPC-A-610, CLASS 2" at -317.22,254 h5.08
  text "4. SOLDER PER J-STD-001, CLASS 2. USE LEAD-FREE SOLDER" at -317.22,246.38 h5.08
  text "5. ALL PARTS SHOWN MAY NOT BE INSTALLED. FOR SCHEMATIC, SEE SEPARATE PARTS LIST" at -317.22,238.76 h5.08
  text "A" at -346.12,232.525 h5.08
  text "A" at 492.167,232.525 h5.08
  text "6. DATA INCLUDED IN PARENTHESIS IS FOR REFERENCE ONLY" at -317.22,231.14 h5.08
  text "7. FOR COMPONENTS WITH REFERENCE DESIGNATORS, REFER TO PARTS LIST BY REFERENCE DESIGNATION" at -317.22,223.52 h5.08
  text "8. ELECTROSTATIC DISCHARGE CONTROL PROGRAM FOR PROTECTION OF ELECTRICAL AND ELECTRONIC" at -317.22,215.9 h5.08
  text "PARTS, ASSEMBLIES, AND EQUIPMENT SHALL BE PER IPC-610 OR BETTER" at -317.22,208.28 h5.08
  text "9. THE PCB MATERIAL MANUFACTURER'S RECOMMENDATIONS FOR PCB MATERIAL STORAGE, PRE-PROCESS" at -317.22,200.66 h5.08
  text "BAKEOUT, PROCESSING AND MATERIAL HANDLING SHALL BE STRICTLY FOLLOWED DURING ALL ASSEMBLY" at -312.14,193.04 h5.08
  text "PROCESSES. DEVIATION FROM THESE STANDARDS REQUIRES WRITTEN AUTHORIZATION FROM OCEAN OPTICS, INC" at -312.14,185.42 h5.08
  text "10. MARK LAST 3 DIGITS OF DRAWING NUMBER (-XXX) IN A CLEAR AND LEGIBLE MANNER USING POLYIMIDE BRADY LABEL" at -319.76,177.8 h5.08
  text "11. MARK DOCUMENT REVISION IN A CLEAR AND LEGIBLE MANNER USING POLYIMIDE BRADY LABEL" at -319.76,170.18 h5.08
  text "12. ALL PROCESSES AND PROCEDURES SHALL BE ROHS COMPLIANT" at -319.76,162.56 h5.08
  text "13. COMPLETED CIRCUIT CARD ASSEMBLIES SHALL BE PACKAGED INDIVIDUALLY" at -319.76,154.94 h5.08
  text "IN STATIC SHIELDING PACKAGING IN ACCORDANCE WITH ANSI/ESD-S-20.20" at -312.14,147.32 h5.08
  text "B" at -346.17,92.665 h5.08
  text "B" at 492.117,92.665 h5.08
  text "Dimensions in mm" at 374,-38 h6.35
  text "Scale  3:1" at 269,-42 h12.7
  text "C" at -345.585,-46.808 h5.08
  text "C" at 492.701,-46.808 h5.08
  text "SEE SEPARATE PARTS LIST." at 223.546,-165.602 h10.16
  text "DFTG" at 264.44,-174.521 h2.54
  text ".NameDftg" at 277.648,-174.521 h2.54
  text ".DateDftg" at 317.272,-174.521 h2.54
  text "UNLESS OTHERWISE SPECIFIED," at 209.576,-178.839 h2.03
  text "MATERIAL:" at 146.406,-179.064 h2.54
  text "ENG" at 264.44,-181.125 h2.54
  text ".NameEng" at 277.648,-181.125 h2.54
  text ".DateEng" at 317.272,-181.125 h2.54
  text "INCHES" at 245.644,-182.366 h2.03
  text "DIMENSIONS ARE IN" at 209.576,-182.395 h2.03
  text "D" at -345.838,-186.507 h5.08
  text "D" at 492.449,-186.507 h5.08
  text "MECH" at 264.44,-186.713 h2.54
  text "*" at 277.648,-187.221 h2.54
  text "*" at 317.272,-187.221 h2.54
  text "TITLE:" at 356.25,-189.253 h2.54
  text "TOLERANCES:" at 209.576,-190.269 h2.54
  text "SEE NOTES" at 148.235,-192.272 h2.54
  text "MFG" at 264.44,-193.317 h2.54
  text "*" at 277.648,-193.317 h2.54
  text "*" at 317.272,-193.825 h2.54
  text ".X +/- 0.1" at 210.592,-194.841 h2.54
  text ".XX +/- 0.01" at 210.592,-197.889 h2.54
  text ".TitleCCA" at 362.865,-198.241 h5.59
  text ".XXX +/- 0.001" at 210.592,-200.937 h2.54
  text ".Title0" at 382.41,-207.73 h5.59
  text "THIRD ANGLE PROJECTION" at 147.854,-212.491 h2.54
  text "ALL SHEETS ARE THE" at 214.148,-216.589 h2.54
  text ".Title1" at 367.31,-217.17 h5.59
  text "SAME REVISION STATUS" at 211.799,-221.161 h2.54
  text "SIZE" at 356.388,-224.305 h2.54
  text "DRAWING NUMBER" at 366.04,-224.305 h2.54
  text "REV" at 473.112,-225.855 h3.05
  text "D" at 356.43,-232.146 h5.08
  text ".DocNumber" at 366.04,-232.404 h6.6
  text ".Rev" at 472.72,-232.404 h5.08
  text "1" at 457.48,-237.484 h2.54
  text "2" at 472.72,-237.484 h2.54
  text "1:1" at 369.85,-237.738 h2.54
  text "SCALE" at 355.824,-237.913 h2.54
  text "SHEET   OF" at 441.731,-238.128 h2.54
  text "8" at 449.606,-248.66 h5.08
  text "1" at -303.885,-248.914 h5.08
  text "2" at -196.323,-249.908 h5.08
  text "4" at 19.75,-249.908 h5.08
  text "3" at -88.329,-250.068 h5.08
  text "5" at 127.749,-250.068 h5.08
  text "6" at 235.696,-250.068 h5.08
  text "7" at 343.67,-250.068 h5.08
Drill Drawing:
  lines w0.381: -277.048,-180.334 -277.048,-172.714 ; -259.323,-180.334 -259.323,-172.714 ; -225.145,-180.334 -225.145,-172.714 ; -212.296,-180.334 -212.296,-172.714 ; -291.04,-180.334 -192.514,-180.334 -192.514,-172.714 -291.04,-172.714 -291.04,-180.334 ; -291.04,-176.524 -192.514,-176.524 -291.04,-176.524
  text "Symbol" at -288.754,-175.381 h1.83
  text "Hit Count" at -275.905,-175.381 h1.83
  text "Finished Hole Size" at -258.18,-175.381 h1.83
  text "Plated" at -224.002,-175.381 h1.83
  text "Hole Type" at -211.153,-175.381 h1.83